# Altium PCB STM32L431RCT6-Study-Board01401-02-30.PcbDoc
Units mm, origin at the board's own origin, x right, y up, seen from the top; angles counter-clockwise.
Board outline 100 x 60 mm, 2 copper layers (Top Layer, Bottom Layer); 84 components, 94 nets, 407 pads, 31 vias.
Unrouted connection lines stored in the file: 79.
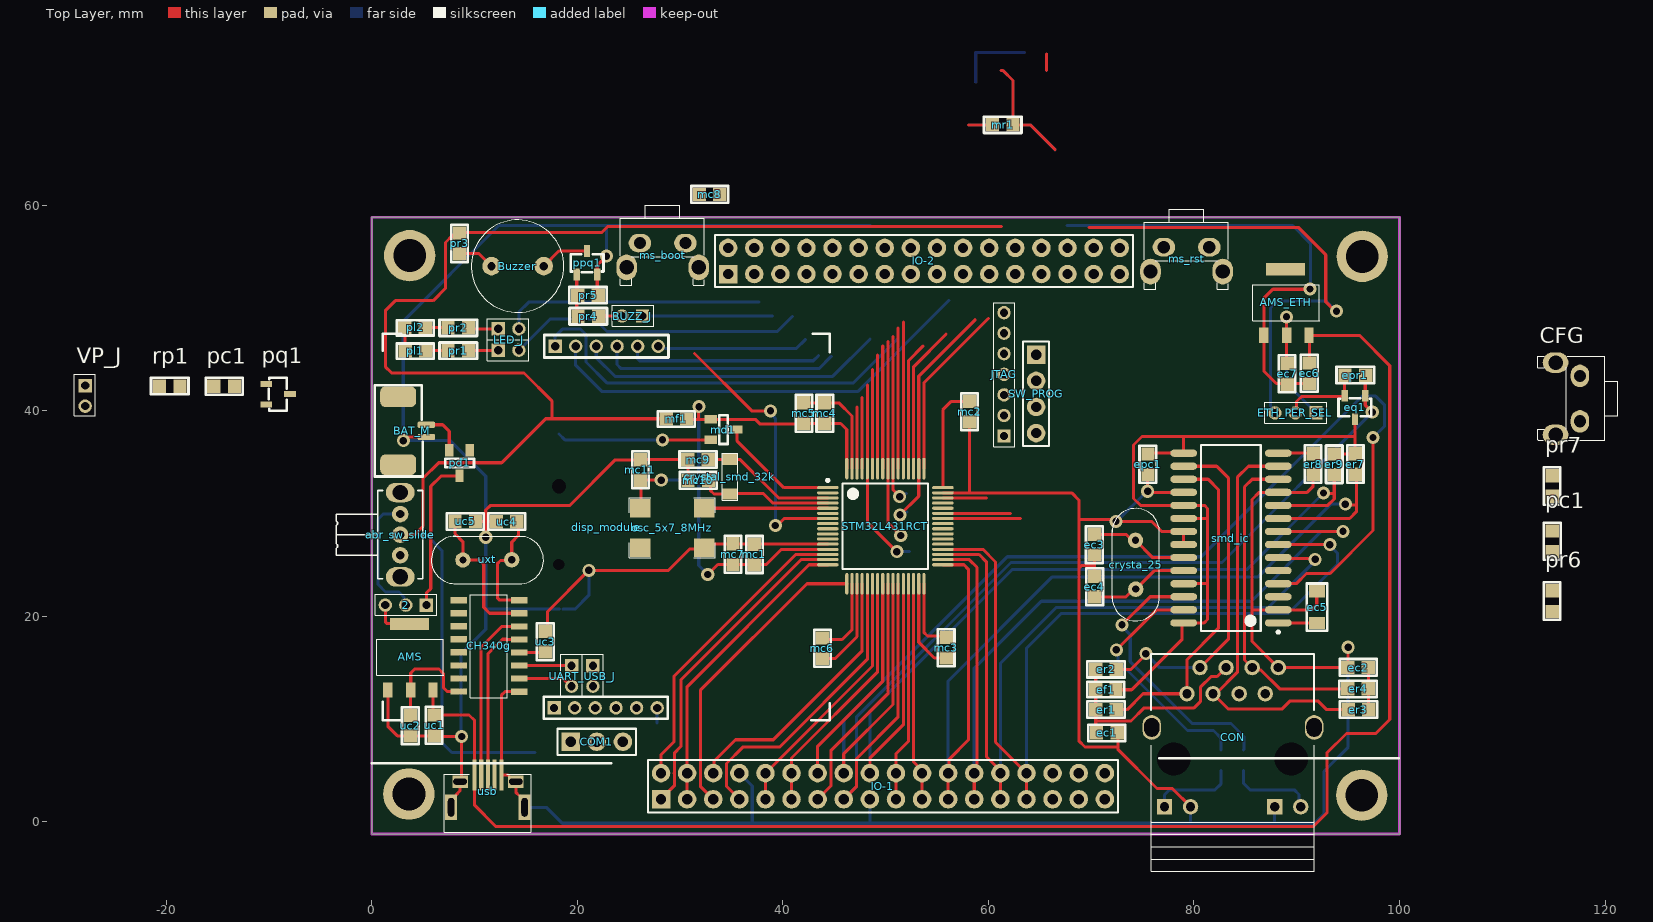
[diagram p0: Top Layer view]
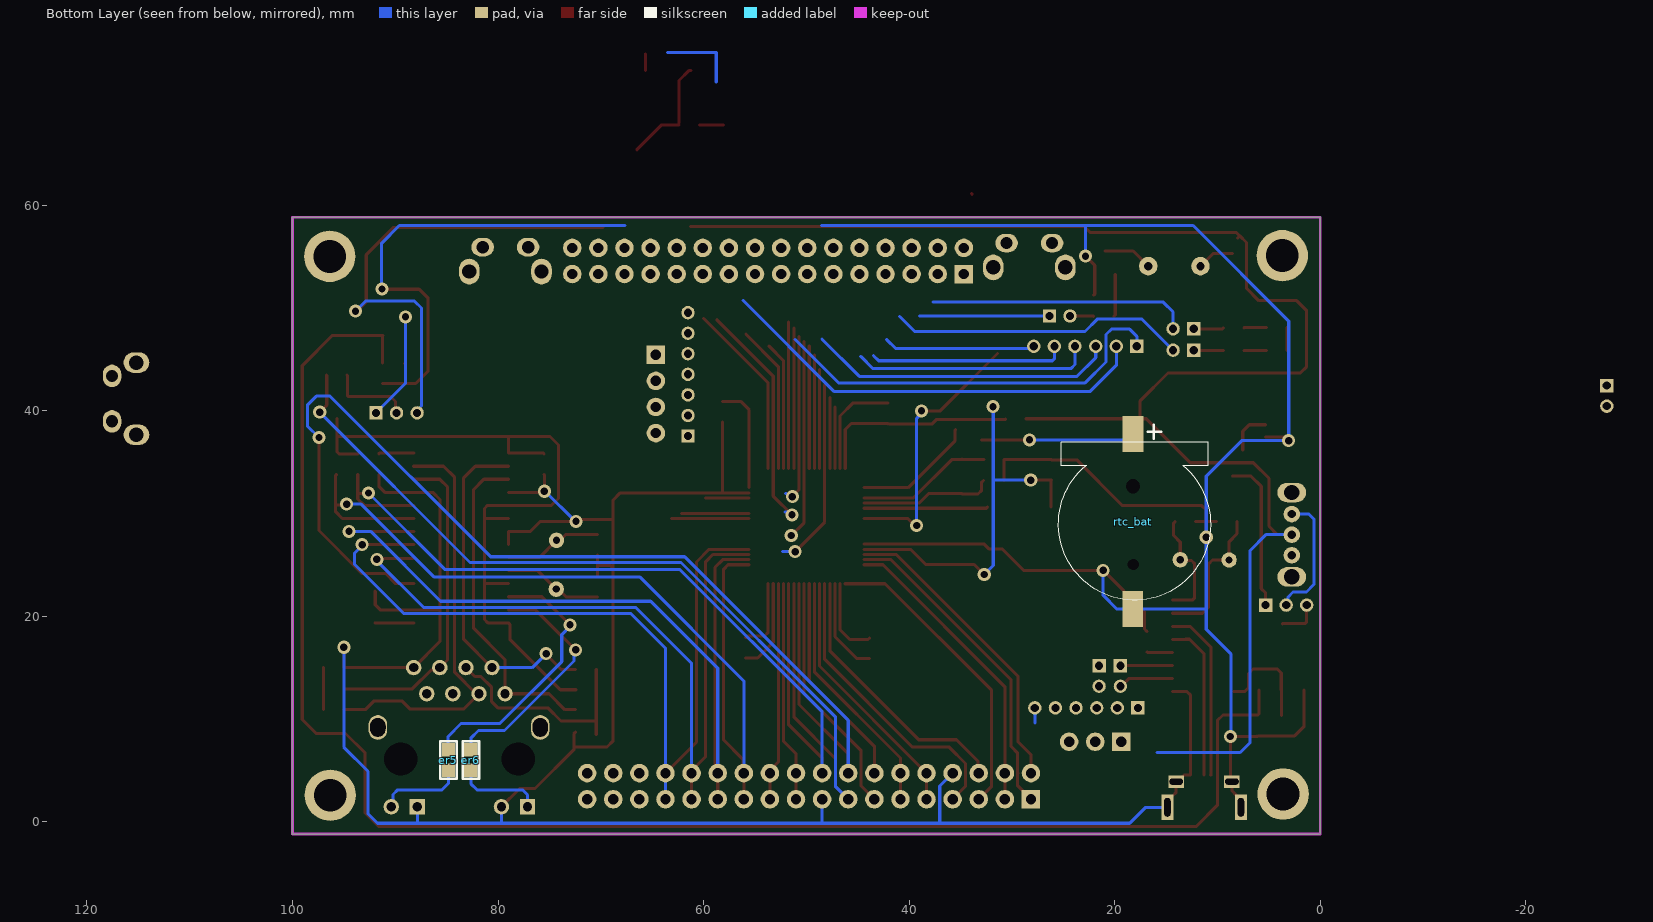
[diagram p1: Bottom Layer view, seen from below]

## Layer stack, top to bottom
Top Solder: solder mask 0.0102, Solder Resist, Dk 3.5
Top Layer: signal copper 0.0356
Dielectric 1: dielectric 0.32, FR-4, Dk 4.8
Bottom Layer: signal copper 0.0356
Bottom Solder: solder mask 0.0102, Solder Resist, Dk 3.5

## Board outline
0,-1.175 100,-1.175 100,58.825 0,58.825

## Design rules (kind name [scope] priority, off if disabled: settings)
Clearance [All] p1: gap=0.2 ignorepadtopadclearanceinfootprint=FALSE
ComponentClearance [All] p1: gap=0 collisioncheckmode=3 verticalgap=0 showdistances=FALSE
PolygonConnect [All] p1: connectstyle=Relief reliefconductorwidth=0.254 reliefentries=4 polygonreliefangle="90 Angle" airgapwidth=0.254
RoutingVias [All] p1: holewidth=0.711 width=1.27 viastyle="Through Hole" minholewidth=0.711 minwidth=1.27 maxholewidth=0.711 maxwidth=1.27
SolderMaskExpansion [All] p1: expansion=0.102 istentingtop=FALSE
Width [All] p1: maxlimit=0.5 minlimit=0.3 preferedwidth=0.3
29 further rules are at their usual default settings.

## Classes and differential pairs
component class Eth: AMS_ETH CON crysta_25 ec1 ec2 ec3 ec4 ec5 ec6 ec7 ef1 epc1 epr1 eq1 er1 er2 er3 er4 er5 er6 er7 er8 er9 ETH_PER_SEL smd_ic
component class Periph: BUZZ_J Buzzer CFG IO-1 IO-2 LED_J pc1 pl1 pl2 ppq1 pr1 pr2 pr3 pr4 pr5 pr6 pr7
component class DISPLAY: disp_module
component class USB: AMS CH340g COM1 UART_USB_J uc1 uc2 uc3 uc4 uc5 usb uxt
component class PWR: 2 abr_sw_slide BAT_M pc1 pd1 pq1 rp1 VP_J
component class STM32L431RCT6-BASIC: crystal_smd_32k JTAG mc1 mc2 mc3 mc4 mc5 mc6 mc7 mc8 mc9 mc10 mc11 md1 mf1 mr1 ms_boot ms_rst osc_5x7_8MHz rtc_bat SW_PROG
component class STM32L431RCT6: STM32L431RCT

## Components (designator, comment, footprint, x,y, rotation, side; value= is the part's Value field where it differs from the comment)
2 "pin header 2mm" abr_ph_3x1_2mm_2d_male 3.325,21.1 r0 top
abr_sw_slide "Slide switch" abr_sw_slide__r_3d 2.775,27.95 r90 top locked
AMS "Regulator" abr_fp_SOT-223_3d 3.775,16.05 r0 top
AMS_ETH "Regulator" abr_fp_SOT-223_3d 89,50.55 r0 top
BAT_M "YB2 SMD" abr_sw_yb_2p_3d 4.893,38.593 r0 top locked
BUZZ_J "pin header 2mm" abr_ph_2x1_2mm_3d_male 25.35,49.225 r0 top
Buzzer "LED" ABR_BUZZER_9MM_3D 14.2,54.075 r0 top
CFG "switch" abr_sw_tact_3d 116.372,41.183 r90 top
CH340g "Radio" abr_usb_ch344g_3d 11.3,16.925 r180 top
COM1 "Header 3" HDR1X3 19.36,7.8 r0 top
CON "RJ45_8pin_LED" abr_eth_RJ45_8pin_LED_3d 83.795,8.246 r180 top locked
crysta_25 "crystal" abr_crystal_dip_3d 74.325,25.025 r270 top locked
crystal_smd_32k "crystal" abr_crystal_cm405_32k_3d 34.85,33.6 r270 top
disp_module "connector" abr_oled13_3key_module_2d 22.812,28.687 r90 top locked
ec1 "100nf" abr_cap_0805_3d 71.525,8.675 r180 top
ec2 "100nf" abr_cap_0805_3d 95.975,15.025 r0 top
ec3 "100nf" abr_cap_0805_3d 70.325,26.975 r90 top
ec4 "100nf" abr_cap_0805_3d 70.325,22.9 r270 top
ec5 "10uf" abr_cap_a_3d 91.975,20.9 r90 top
ec6 "1uf" abr_cap_0805_3d 91.234,43.653 r90 top
ec7 "1uf" abr_cap_0805_3d 89.075,43.6 r90 top
ef1 "smd-0805" abr_fer_0805_3d 71.425,12.875 r180 top
epc1 "100nf" abr_cap_0805_3d 75.525,34.8 r90 top
epr1 "10k" abr_res_0805_3d 95.7,43.475 r180 top
eq1 "irlm6402" irlm6402 95.525,41.475 r270 top
er1 "49.9" abr_res_0805_3d 71.45,10.925 r0 top
er2 "49.9" abr_res_0805_3d 71.45,14.85 r0 top
er3 "49.9" abr_res_0805_3d 96,10.925 r180 top
er4 "49.9" abr_res_0805_3d 95.975,12.95 r180 top
er5 "1k" abr_res_0805_3d 84.825,6.025 r90 bottom
er6 "1k" abr_res_0805_3d 82.65,6.025 r90 bottom
er7 "10k" abr_res_0805_3d 95.7,34.825 r90 top
er8 "2.3k" abr_res_0805_3d 91.6,34.825 r90 top
er9 "10k" abr_res_0805_3d 93.65,34.8 r90 top
ETH_PER_SEL "pin header 2mm" abr_ph_3x1_2mm_2d_male 89.875,39.8 r0 top
IO-1 "Header 18X2" HDR2X18 28.15,2.21 r0 top
IO-2 "Header 16X2" HDR2X16 34.68,53.31 r0 top
JTAG "pin header 2mm" abr_ph_1x7_2mm_2d_female 61.525,43.55 r270 top
LED_J "pin header 2mm" abr_ph_2x2_2mm_3d_male 13.325,46.938 r180 top
mc1 "100nf" abr_cap_0805_3d 37.225,26.025 r270 top
mc2 "100nf" abr_cap_0805_3d 58.175,39.925 r90 top
mc3 "100nf" abr_cap_0805_3d 55.9,16.95 r90 top
mc4 "100nf" abr_cap_0805_3d 44.075,39.775 r270 top
mc5 "4.7uf" abr_cap_0805_3d 42.05,39.775 r270 top
mc6 "100nf" abr_cap_0805_3d 43.85,16.9 r270 top
mc7 "1uf" abr_cap_0805_3d 35.15,26.05 r270 top
mc8 "100nf" abr_cap_0805_3d 32.875,61.075 r180 top
mc9 "15pf" abr_cap_0805_3d 31.75,35.25 r0 top
mc10 "15pf" abr_cap_0805_3d 31.775,33.225 r0 top
mc11 "100nf" abr_cap_0805_3d 26.15,34.25 r270 top
md1 "abr_diode_shotkey" abr_diode_bat54c_3d 34.225,38.175 r0 top
mf1 "smd-0805" abr_fer_0805_3d 29.638,39.212 r0 top
mr1 "10k" abr_res_0805_3d 61.4,67.825 r0 top
ms_boot "switch" abr_sw_tact_3d 28.313,55.137 r180 top
ms_rst "switch" abr_sw_tact_3d 79.288,54.738 r180 top
osc_5x7_8MHz "osc" abr_osc_5x7_3d 29.25,28.6 r90 top
pc1 "100nf" abr_cap_0805_3d 114.872,27.308 r90 top
pc1 "100nf" abr_cap_0805_3d -14.35,42.382 r0 top
pd1 "abr_diode_shotkey" abr_diode_bat54c_3d 8.55,34.925 r270 top
pl1 "smd-0805" abr_led_g_0805_3d 4.25,45.85 r180 top
pl2 "smd-0805" abr_led_r_0805_3d 4.225,48.125 r180 top
ppq1 "transistor" abr_fp_sot-23_3d 20.95,54.4 r0 top
pq1 "irlm6402" irlm6402 -10.25,41.482 r0 top
pr1 "2.2K" abr_res_0805_3d 8.425,45.85 r180 top
pr2 "2.2K" abr_res_0805_3d 8.425,48.075 r180 top
pr3 "2.2K" abr_res_0805_3d 8.55,56.296 r270 top
pr4 "2.2K" abr_res_0805_3d 21.075,49.2 r180 top
pr5 "2.2K" abr_res_0805_3d 21.05,51.25 r0 top
pr6 "100K" abr_res_0805_3d 114.847,21.482 r90 top
pr7 "1k" abr_res_0805_3d 114.847,32.683 r90 top
rp1 "100k" abr_res_0805_3d -19.65,42.407 r0 top
rtc_bat "battery holder" abr_bh_cr1220_3d 18.125,29.35 r270 bottom
smd_ic "enc_28j60" abr_eth_enc28j60_3d 83.6,27.625 r180 top locked
STM32L431RCT "STM32L431RCT" STM32l431RCT6_3d 49.975,28.775 r0 top locked
SW_PROG "Header 4" HDR1X4 64.65,45.455 r270 top
UART_USB_J "pin header 2mm" abr_ph_2x2_2mm_3d_male 20.488,14.2 r90 top
uc1 "1uf" abr_cap_0805_3d 6.075,9.4 r90 top
uc2 "1uf" abr_cap_0805_3d 3.775,9.375 r90 top
uc3 "100nf" abr_cap_0805_3d 16.875,17.55 r270 top
uc4 "22pf" abr_cap_0805_3d 13.125,29.225 r0 top
uc5 "22pf" abr_cap_0805_3d 9.1,29.25 r180 top
usb "usb connector" abr_usb_micro_hoawey_p6_3d 11.3,2.994 r0 top locked
uxt "crystal" abr_crystal_dip_3d 11.25,25.5 r180 top
VP_J "pin header 2mm" abr_ph_2x1_2mm_3d_male -27.876,41.457 r90 top

## Footprints (in the part's own frame and the unit in brackets; to place one, negate y for a bottom-side part, rotate by r counter-clockwise, add the part's x,y. Pads: shape width x height; smd on the part's side, far side on the other; paste and mask are expansions set on the pad)
abr_bh_cr1220_3d [mm]
  rect 3.5x2 smd: 1(-8.4,-0.1) 2(8.65,-0.125)
  round 1 hole 1.4: mh1(-3.325,-0.1)
  round 0.7 hole 1.1: mh2(4.3,-0.075)
  silkscreen extent -9.3,-7.35 7.77,7.45, body extent -9.18,-7.45 9.63,7.3, height 4.33
ABR_BUZZER_9MM_3D [mm]
  round 1.8 hole 0.8: 1(-2.54,0) 2(2.54,0)
  silkscreen extent -4.5,-4.5 4.5,4.5, body extent -4.55,-4.55 4.55,4.55, height 5.6
abr_cap_0805_3d [mm]
  rect 1.3x1.3 smd: 0(-1,0) 1(1,0)
  silkscreen extent -1.8,-0.8 1.8,0.83, body extent -1,-0.62 1,0.63, height 1
abr_cap_a_3d [mm]
  rect 1.2x1.6 smd: 0(-1.55,0) 1(1.55,0)
  silkscreen extent -2.3,-1 2.3,1, body extent -1.6,-0.8 1.6,0.8, height 1.61
abr_crystal_cm405_32k_3d [mm]
  rect 1.1x1.5 smd: 1(-1.687,0) 2(1.687,0)
  silkscreen extent -2.29,-0.75 2.29,0.75, body extent -1.61,-0.75 1.59,0.75, height 0.89
abr_crystal_dip_3d [mm]
  round 1.5 hole 0.7: 1(-2.375,-0.012) 2(2.375,0.013)
  silkscreen extent -5.47,-2.29 5.45,2.31, body extent -5.67,-2.4 5.68,2.25, height 3.6
abr_diode_bat54c_3d [mm]
  rect 1.2x0.8 smd: 1(-1.25,1) 2(-1.25,-1) 3(1.25,0)
  silkscreen extent -0.4,-1.4 0.4,1.4, body extent -1.26,-1.51 1.24,1.49, height 1.05
abr_eth_enc28j60_3d [mm]
  oval 2.6x0.7 smd: 1(-4.6,8.255) 2(-4.6,6.985) 3(-4.6,5.715) 4(-4.6,4.445) 5(-4.6,3.175) 6(-4.6,1.905) 7(-4.6,0.635) 8(-4.6,-0.635) 9(-4.6,-1.905) 10(-4.6,-3.175) 11(-4.6,-4.445) 12(-4.6,-5.715) 13(-4.6,-6.985) 14(-4.6,-8.255) 15(4.6,-8.255) 16(4.6,-6.985) 17(4.6,-5.715) 18(4.6,-4.445) 19(4.6,-3.175) 20(4.6,-1.905) 21(4.6,-0.635) 22(4.6,0.635) 23(4.6,1.905) 24(4.6,3.175) 25(4.6,4.445) 26(4.6,5.715) 27(4.6,6.985) 28(4.6,8.255)
  silkscreen extent -4.72,-9.05 2.9,9.28, body extent -5.33,-9.02 5.34,9.06, height 2.64
abr_eth_RJ45_8pin_LED_3d [mm]
  round 1.5 hole 0.9: 1(4.477,-4.231) 2(3.207,-6.771) 3(1.937,-4.231) 4(0.667,-6.771) 5(-0.603,-4.231) 6(-1.873,-6.771) 7(-3.143,-4.231) 8(-4.413,-6.771) 9(-6.596,6.771) 11(4.12,6.771)
  rect 1.5x1.5 hole 0.9: 10(-4.056,6.771) 12(6.66,6.771)
  oval 1.8x2.4 hole 1.5 slot 1.8 at 90 deg: 13(7.9,-0.948) 14(-7.9,-0.948)
  round 2.95 hole 3.25 unplated: MH1(5.747,2.119) MH2(-5.683,2.119)
  silkscreen extent -7.9,-8.09 7.96,13.05, body extent -7.9,-8.35 7.98,13.05, height 13.5
abr_fer_0805_3d [mm]
  rect 1.3x1.3 smd: 0(-0.987,0.013) 1(0.988,-0.012)
  silkscreen extent -1.79,-0.76 1.81,0.74, body extent -0.97,-0.65 1.03,0.6, height 0.78
abr_fp_sot-23_3d [mm]
  rect 0.6x1.15 smd: 1(-1,-1.15) 2(1,-1.15) 3(0,1.15)
  silkscreen extent -1.6,-0.9 1.6,0.85, body extent -1.5,-1.25 1.5,1.25, height 1.05
abr_fp_SOT-223_3d [mm]
  rect 0.9x1.5 smd: 1(-2.2,-3.212) 2(0.025,-3.212) 3(2.2,-3.212)
  rect 3.8x1.2 smd: 4(-0.075,3.213)
  silkscreen extent -3.3,-1.76 3.22,1.71, body extent -3.33,-3.71 3.37,3.59, height 1.8
abr_led_g_0805_3d [mm]
  rect 1.3x1.3 smd: 0(-1,0) 1(1,0)
  silkscreen extent -1.8,-0.7 1.8,0.8, body extent -1.01,-0.58 1.01,0.67, height 1.1
abr_led_r_0805_3d [mm]
  rect 1.3x1.3 smd: 0(-1,0) 1(1,0)
  silkscreen extent -1.8,-0.7 1.8,0.8, body extent -1.05,-0.67 1.05,0.68, height 0.9
abr_oled13_3key_module_2d [mm]
  rect 1.3x1.3 hole 0.8: 1(17.588,4.963) 12(-17.587,5.062)
  round 1.3 hole 0.8: 2(17.588,2.963) 3(17.588,0.963) 4(17.588,-1.062) 5(17.588,-3.062) 6(17.588,-5.062) 7(-17.587,-4.963) 8(-17.587,-2.963) 9(-17.587,-0.962) 10(-17.587,1.062) 11(-17.587,3.062)
  Bottom Layer lines w0.3: -17.537,-2.937 -17.498,-2.977
  silkscreen extent -18.78,-21.76 18.81,21.73
abr_osc_5x7_3d [mm]
  rect 1.8x2 smd: 1(-1.925,3.1) 2(-1.925,-3.1) 3(1.925,-3.1) 4(1.925,3.1)
  silkscreen extent -2.9,-4.17 2.93,4.18, body extent -2.48,-3.47 2.54,3.53, height 1.52
abr_ph_1x7_2mm_2d_female [mm]
  rect 1.3x1.3 hole 0.8: 1(6,0)
  round 1.3 hole 0.8: 2(4,0) 3(2,0) 4(0,0) 5(-2,0) 6(-4,0) 7(-6,0)
  silkscreen extent -6.99,-1 7.02,1.05
abr_ph_2x1_2mm_3d_male [mm]
  rect 1.3x1.3 hole 0.8: 1(1,0)
  round 1.3 hole 0.8: 2(-1,0)
  silkscreen extent -1.95,-1 2.1,1.05, body extent -1.95,-0.98 2.05,1.02, height 4.4
abr_ph_2x2_2mm_3d_male [mm]
  rect 1.3x1.3 hole 0.8: 1(1,-1.037) 3(1,1.038)
  round 1.3 hole 0.8: 2(-1,-1.037) 4(-1,1.038)
  silkscreen extent -1.95,-2.04 2.1,2.09, body extent -1.95,-2.01 2.05,2.06, height 4.4
abr_ph_3x1_2mm_2d_male [mm]
  rect 1.3x1.3 hole 0.8: 1(2,0)
  round 1.3 hole 0.8: 2(0,0) 3(-2,0)
  silkscreen extent -3,-1 3.03,1.05
abr_res_0805_3d [mm]
  rect 1.3x1.3 smd: 0(-1,0) 1(1,0)
  silkscreen extent -1.83,-0.8 1.82,0.8, body extent -1.07,-0.7 1.03,0.65, height 0.6
abr_sw_slide__r_3d [mm]
  round 1.6 hole 0.8: 1(2,0) 2(0,0) 3(-2,0)
  oval 1.9x2.8 hole 1.5: M2(-4.1,0) M2(4.1,0)
  silkscreen extent -4.3,-2.2 4.3,6.2, body extent -4.31,-2.28 4.3,6.09, height 4.7
abr_sw_tact_3d [mm]
  oval 2.2x1.8 hole 1.2: 1(-2.212,-1.188) 2(2.213,-1.188)
  oval 2x2.5 hole 1.4: 3(-3.512,1.188) 4(3.513,1.188)
  silkscreen extent -4.04,-4.85 4.11,2.91, body extent -4.39,-4.34 4.31,2.81, height 7.4
abr_sw_yb_2p_3d [mm]
  rrect50% 3.5x2 smd: 0(-2.311,-3.835) 0(-2.311,2.769)
  rrect50% 1.7x0.6 smd: 1(0.432,0.051) 2(0.432,-1.143)
  silkscreen extent -4.6,-4.98 0.08,3.91, body extent -4.59,-4.21 0.82,3.04, height 3.4
abr_usb_ch344g_3d [mm]
  rect 1.6x0.6 smd: 1(-3.075,4.25) 2(-3.075,2.979) 3(-3.075,1.707) 4(-3.075,0.436) 5(-3.075,-0.836) 6(-3.075,-2.107) 7(-3.075,-3.379) 8(-3.075,-4.65) 9(2.825,-4.65) 10(2.85,-3.382) 11(2.85,-2.114) 12(2.85,-0.846) 13(2.85,0.421) 14(2.85,1.689) 15(2.85,2.957) 16(2.85,4.225)
  silkscreen extent -1.9,-5.18 1.73,4.82, body extent -3.19,-5.19 2.95,4.78, height 1.88
abr_usb_micro_hoawey_p6_3d [mm]
  rect 0.4x3 smd: 1(-1.288,1.569) 2(-0.637,1.569) 3(0.012,1.569) 4(0.663,1.569) 5(1.312,1.569)
  rect 1.5x1.2 hole 0.6 slot 1.3 at 0 deg: 6(2.725,0.931) 9(-2.7,0.931)
  rect 1.2x2.5 hole 0.6 slot 1.8 at 90 deg: 7(3.575,-1.569) 8(-3.575,-1.569)
  silkscreen extent -4.23,-3.99 4.23,1.66, body extent -4.1,-4.43 4.1,1, height 2.58
HDR1X3 [mm] "Connector; Header; 3 Position"
  rect 1.8x1.8 hole 1: 1(0,0)
  round 1.8 hole 1: 2(2.54,0) 3(5.08,0)
  silkscreen extent -1.27,-1.27 6.35,1.27
HDR1X4 [mm] "Connector; Header; 4 Position"
  rect 1.8x1.8 hole 1: 1(0,0)
  round 1.8 hole 1: 2(2.54,0) 3(5.08,0) 4(7.62,0)
  silkscreen extent -1.27,-1.27 8.89,1.27
HDR2X16 [mm] "Connector; Header; 16x2 Position"
  rect 1.8x1.8 hole 1: 1(0,0)
  round 1.8 hole 1: 2(0,2.54) 3(2.54,0) 4(2.54,2.54) 5(5.08,0) 6(5.08,2.54) 7(7.62,0) 8(7.62,2.54) 9(10.16,0) 10(10.16,2.54) 11(12.7,0) 12(12.7,2.54) 13(15.24,0) 14(15.24,2.54) 15(17.78,0) 16(17.78,2.54) 17(20.32,0) 18(20.32,2.54) 19(22.86,0) 20(22.86,2.54) 21(25.4,0) 22(25.4,2.54) 23(27.94,0) 24(27.94,2.54) 25(30.48,0) 26(30.48,2.54) 27(33.02,0) 28(33.02,2.54) 29(35.56,0) 30(35.56,2.54) 31(38.1,0) 32(38.1,2.54)
  silkscreen extent -1.27,-1.27 39.37,3.81
HDR2X18 [mm] "Connector; Header; 18x2 Position"
  rect 1.8x1.8 hole 1: 1(0,0)
  round 1.8 hole 1: 2(0,2.54) 3(2.54,0) 4(2.54,2.54) 5(5.08,0) 6(5.08,2.54) 7(7.62,0) 8(7.62,2.54) 9(10.16,0) 10(10.16,2.54) 11(12.7,0) 12(12.7,2.54) 13(15.24,0) 14(15.24,2.54) 15(17.78,0) 16(17.78,2.54) 17(20.32,0) 18(20.32,2.54) 19(22.86,0) 20(22.86,2.54) 21(25.4,0) 22(25.4,2.54) 23(27.94,0) 24(27.94,2.54) 25(30.48,0) 26(30.48,2.54) 27(33.02,0) 28(33.02,2.54) 29(35.56,0) 30(35.56,2.54) 31(38.1,0) 32(38.1,2.54) 33(40.64,0) 34(40.64,2.54) 35(43.18,0) 36(43.18,2.54)
  silkscreen extent -1.27,-1.27 44.45,3.81
irlm6402 [mm]
  rect 1.15x0.6 smd: 1(0,1.143) 2(0,-0.857) 3(2.3,0.143)
  silkscreen extent 0.25,-1.46 2,1.74, body extent -0.1,-1.36 2.4,1.64, height 1.05
STM32l431RCT6_3d [mm]
  oval 2.1x0.3 smd: 1(-5.6,3.75) 2(-5.6,3.25) 3(-5.6,2.75) 4(-5.6,2.25) 5(-5.6,1.75) 6(-5.6,1.25) 7(-5.6,0.75) 8(-5.6,0.25) 9(-5.6,-0.25) 10(-5.6,-0.75) 11(-5.6,-1.25) 12(-5.6,-1.75) 13(-5.6,-2.25) 14(-5.6,-2.75) 15(-5.6,-3.25) 16(-5.6,-3.75) 33(5.6,-3.75) 34(5.6,-3.25) 35(5.6,-2.75) 36(5.6,-2.25) 37(5.6,-1.75) 38(5.6,-1.25) 39(5.6,-0.75) 40(5.6,-0.25) 41(5.6,0.25) 42(5.6,0.75) 43(5.6,1.25) 44(5.6,1.75) 45(5.6,2.25) 46(5.6,2.75) 47(5.6,3.25) 48(5.6,3.75)
  oval 0.3x2.1 smd: 17(-3.75,-5.6) 18(-3.25,-5.6) 19(-2.75,-5.6) 20(-2.25,-5.6) 21(-1.75,-5.6) 22(-1.25,-5.6) 23(-0.75,-5.6) 24(-0.25,-5.6) 25(0.25,-5.6) 26(0.75,-5.6) 27(1.25,-5.6) 28(1.75,-5.6) 29(2.25,-5.6) 30(2.75,-5.6) 31(3.25,-5.6) 32(3.75,-5.6) 49(3.75,5.6) 50(3.25,5.6) 51(2.75,5.6) 52(2.25,5.6) 53(1.75,5.6) 54(1.25,5.6) 55(0.75,5.6) 56(0.25,5.6) 57(-0.25,5.6) 58(-0.75,5.6) 59(-1.25,5.6) 60(-1.75,5.6) 61(-2.25,5.6) 62(-2.75,5.6) 63(-3.25,5.6) 64(-3.75,5.6)
  silkscreen extent -5.72,-4.15 4.15,4.57, body extent -6.03,-6.03 5.97,5.97, height 1.6

## Part data
2 ETH_PER_SEL: library part abr_ph_3x1_2mm
AMS AMS_ETH: library part abr_reg_AMS1117
BUZZ_J VP_J: library part abr_2x1_2mm
Buzzer: library part abr_buzzer
CFG ms_boot ms_rst: library part abr_switch_tact
CH340g: library part abr_usb_ch340g
COM1: "Header, 3-Pin", LatestRevisionDate=17-Jul-2002, LatestRevisionNote="Re-released for DXP Platform.", Publisher="Altium Limited"
crysta_25 uxt: library part abr_crystal
crystal_smd_32k: library part abr_crystal_smd_32K
disp_module: library part abr_tft13_3key_disp
ec1 ec2 ec3 ec4 ec6 ec7 epc1 mc1 mc2 mc3 mc4 mc5 mc6 mc7 mc8 mc9 mc10 mc11 pc1 pc1 uc1 uc2 uc3 uc4 uc5: library part abr_cap_0805
ec5: library part abr_cap
ef1 mf1: library part abr_fer_0805
epr1 er1 er2 er3 er4 er5 er6 er7 er8 er9 mr1 pr1 pr2 pr3 pr4 pr5 pr6 pr7 rp1: library part abr_res_0805
IO-1: "Header, 18-Pin, Dual row", LatestRevisionDate=17-Jul-2002, LatestRevisionNote="Re-released for DXP Platform.", Publisher="Altium Limited"
IO-2: "Header, 16-Pin, Dual row", LatestRevisionDate=17-Jul-2002, LatestRevisionNote="Re-released for DXP Platform.", Publisher="Altium Limited"
JTAG: library part abr_1x7_2mm
LED_J UART_USB_J: library part abr_2x2_2mm
md1 pd1: library part abr_diode_shatkey_bat54c
osc_5x7_8MHz: library part abr_osc_5x7
pl1 pl2: library part abr_led_0805
ppq1: library part abr_bc847
rtc_bat: library part abr_bh_rtc
SW_PROG: "Header, 4-Pin", LatestRevisionDate=17-Jul-2002, LatestRevisionNote="Re-released for DXP Platform.", Publisher="Altium Limited"
usb: library part abr_usb_micro_female

## Free pads (board coordinates)
  round 5 hole 3.2: 0(3.617,2.72) 0(3.7,55.1) 0(96.325,2.6) 0(96.375,55.025)

## Via types
v1: diameter 1.27, hole 0.711, Top Layer to Bottom Layer, 31 vias

## Nets (pads, with @x,y where several pads share a name; then routed paths per layer and width w, separated by ;. In a path a pad name is that pad's centre, name@x,y a point inside that pad or via, vN(x,y) a via of type N, cw(c..) or ccw(c..) an arc to the next point about the centre after c; other vN are vias at no path point)
B10: IO-1.19 IO-1.20 STM32L431RCT.29 | length 21.5
  Top Layer w0.3: IO-1.19 IO-1.20 51.01,6.635 52.225,7.85 52.225,22.275 STM32L431RCT.29
BM: BAT_M.1 pd1.2 | length 4.3
  Top Layer w0.3: BAT_M.1 6.906,38.644 7.55,38 pd1.2
BOOT: IO-2.3 LED_J.4 mr1.1 ms_boot.2 STM32L431RCT.60 | length 58.4
  Top Layer w0.3: 48.225,42.525 STM32L431RCT.60 48.225,29.175 v1(51.1,26.3) ; 61.25,73.1 61.441,73.1 62.4,72.141 mr1.1@62.4,68.025 ; mr1.1 64.075,67.825 66.5,65.4
  Bottom Layer w0.3: LED_J.4 17.35,48.925 21.7,48.925 22.9,47.725 39.475,47.725 40.93,49.18 ; v1(51.1,26.3) 52.325,26.3
BUZZ: BUZZ_J.2 pr4.0 | length 2.3
  Top Layer w0.3: pr4.0 22.1,49.225 BUZZ_J.2
CH_V3: CH340g.4 uc3.1 | length 2.5
  Top Layer w0.3: CH340g.4 16.814,16.489 uc3.1
CT: CON.4 ec1.1 ef1.1 er1.0 er2.0 | length 22
  Top Layer w0.3: ec1.1@70.45,8.5 70.45,9.825 ; er2.0 70.45,9.825 ; CON.4 82.261,14.15 81.675,14.15 80.625,13.1 80.625,11.7 80.025,11.1 75.15,11.1 73.875,9.825 70.45,9.825
DISP_BL: disp_module.11
DISP_K1: disp_module.8
DISP_K2: disp_module.9
DISP_K3: disp_module.10
ENC_CS: er7.0 IO-1.23 IO-1.24 smd_ic.9 STM32L431RCT.33 | length 93
  Top Layer w0.3: STM32L431RCT.33 57.625,25.025 58.05,24.6 58.05,7.967 56.183,6.1 56.183,4.843 IO-1.24 IO-1.23 ; smd_ic.9 95.155,29.53 95.8,30.175 95.8,30.85 ; v1@94.975,30.825 95,30.85 95.8,30.85 ; er7.0 95.8,33.725 95.8,30.85
  Bottom Layer w0.3: IO-1.24 56.09,13.715 66.225,23.85 86.25,23.85 93.325,30.925 v1(94.725,30.925)
ENC_INT: IO-1.16 smd_ic.4 STM32L431RCT.26 | length 115.6
  Top Layer w0.3: IO-1.16 45.93,6.63 50.725,11.425 STM32L431RCT.26 ; smd_ic.4 89.955,23.18 90.95,24.175 93.25,24.175 97.425,28.35 v1(97.425,37.4)
  Bottom Layer w0.3: IO-1.16 45.93,9.88 61.85,25.8 80.725,25.8 96.35,41.425 97.675,41.425 98.55,40.55 98.55,38.525 v1(97.425,37.4)
ENC_RST: er9.0 IO-1.18 smd_ic.10 STM32L431RCT.28 | length 87.6
  Top Layer w0.3: IO-1.18 48.47,6.195 51.725,9.45 STM32L431RCT.28 ; smd_ic.10 93.025,30.8 93.65,31.425 93.65,31.95 ; v1@92.85,31.925 92.875,31.95 93.65,31.95 ; er9.0 93.65,31.95
  Bottom Layer w0.3: IO-1.18 48.47,10.72 62.3,24.55 85.15,24.55 v1(92.6,32)
GND: AMS.1 AMS_ETH.1 BAT_M.2 CH340g.1 COM1.1 CON.8 CON.10 CON.11 disp_module.7 ec1.0 ec2.0 ec3.0 ec4.0 ec5.1 ec6.0 ec7.0 epc1.0 er8.0 IO-1.8 IO-1.17 IO-2.10 IO-2.19 JTAG.1 mc1.0 mc2.0 mc3.0 mc4.0 mc5.0 mc6.0 mc7.0 mc8.0 mc9.0 mc10.0 mc11.0 mr1.0 ms_rst.1 osc_5x7_8MHz.2 pc1.0@114.872,26.308 pc1.1@-13.35,42.382 pl1.1 pl2.1 ppq1.2 pr5.1 pr6.0 rtc_bat.2 smd_ic.2 smd_ic.11 smd_ic.18 smd_ic.21 smd_ic.22 STM32L431RCT.12 STM32L431RCT.18 STM32L431RCT.31 STM32L431RCT.47 STM32L431RCT.63 SW_PROG.4 uc1.0 uc2.0 uc3.0 uc4.0 uc5.0 usb.5 usb.6 usb.7 usb.8 usb.9 | length 531.5
  Top Layer w0.3: AMS.1 1.575,9.3 2.5,8.375 uc2.0 6.075,8.375 6.14,8.31 v1(8.75,8.31) ; v1(3.075,37.1) 3.425,37.45 BAT_M.2 ; pl2.1 3.25,48.1 pl1.1 ; usb.8 8.175,1.875 8.175,2.6 8.6,3.025 usb.9 8.75,4.075 v1@8.75,8.3 ; uc5.0 11.1,29.25 ; v1(11.1,27.7) 11.1,29.25 ; uc4.0 12.1,29.25 11.1,29.25 ; CH340g.1 12.975,12.675 12.613,12.313 usb.5 13.249,4.562 13.425,4.387 13.425,4.375 13.875,3.925 usb.6 14.025,2.875 14.375,2.525 14.425,2.525 14.875,2.075 usb.7 ; uc3.0 17.099,18.774 17.099,20.449 v1(21.125,24.475) 28.875,24.475 30.975,26.575 32.25,26.575 osc_5x7_8MHz.2 32.7,27.025 STM32L431RCT.12 ; pr5.1 21.95,51.35 ppq1.2 21.95,54.15 v1(22.85,55.05) ; mc11.0@26.15,35.225 23.7,35.225 19.25,30.775 11.525,30.775 11.1,30.35 11.1,29.25 ; mc11.0 mc9.0 30.775,35.225 mc10.0 ; mc8.0 mc8.0@33.925,61.125 ; mc5.0 mc4.0 45.45,40.775 46.725,39.5 46.725,35.275 STM32L431RCT.63 ; mc6.0 44,17.75 45.775,17.75 46.725,18.7 STM32L431RCT.18 ; STM32L431RCT.31 53.225,17.475 54.75,15.95 mc3.0 ; STM32L431RCT.47 58.225,32.025 ; 58.075,67.825 mr1.0 ; mc2.0 58.175,32.075 58.225,32.025 ; ec4.0 70.325,24.938 ; ec3.0 70.325,24.938 ; ec1.0@72.451,8.749 ec1.0 72.625,8.575 72.625,7.3 ; v1@75.3,32.07 smd_ic.18 ; v1(75.5,32.175) 75.5,33.775 epc1.0 ; smd_ic.22 smd_ic.21 76.865,28.26 75.875,29.25 v1(72.425,29.25) 72.25,29.425 68.8,29.425 ; CON.11 77.9,3.25 76.4,3.25 72.625,7.025 72.625,7.3 ; v1@91.1,51.825 87.675,51.825 86.8,50.95 AMS_ETH.1 86.8,43.875 88.022,42.653 ec6.0 ; er8.0 91.6,32.65 91.02,32.07 smd_ic.11 86.345,32.07 85.65,31.375 85.65,20.64 ; ec5.1 91.95,22.425 91.95,21.125 91.465,20.64 smd_ic.2 85.65,20.64 ; v1(95,17) 94.975,16.975 ec2.0 94.967,15.017 CON.8 85.65,17.576 85.65,20.64 ; 58.225,32.025 68.1,32.025 68.8,31.325 68.8,29.425 ; 68.8,24.675 68.8,29.425 ; 68.8,24.675 68.8,7.9 69.4,7.3 72.625,7.3 ; 68.8,24.675 69.063,24.938 70.325,24.938
  Bottom Layer w0.3: v1(8.75,8.31) 8.7,8.36 8.7,16.35 11.1,18.75 11.1,20.65 ; usb.7 17,1.425 18.55,-0.125 37.025,-0.125 ; rtc_bat.2 11.15,20.7 11.1,20.65 ; rtc_bat.2@18.625,20.725 18.65,20.7 19.775,20.7 21.125,22.05 v1(21.125,24.475) ; v1(22.85,55.05) 22.85,57.975 22.8,58.025 ; 27.775,9.65 disp_module.7 ; IO-1.8 37.025,3.495 37.025,-0.125 ; IO-1.17 48.47,-0.095 48.5,-0.125 ; 48.55,58.025 32.781,58.025 22.8,58.025 ; 58.775,71.975 58.775,74.875 63.525,74.875 ; 67.65,58.025 89.6,58.025 91.325,56.3 91.325,51.875 v1(91.3,51.85) ; v1(72.425,29.25) 72.5,29.25 75.425,32.175 v1(75.5,32.175) ; CON.11 79.675,-0.125 ; CON.10 87.852,-0.125 ; v1(95,17) 95,7.275 92.65,4.925 92.65,0.8 91.725,-0.125 87.852,-0.125 ; 11.1,20.65 v1(11.1,27.7) 11.1,33.65 7.65,37.1 v1(3.075,37.1) 3.075,48.725 12.375,58.025 22.8,58.025 ; 37.025,-0.125 48.5,-0.125 ; 48.5,-0.125 79.675,-0.125 ; 79.675,-0.125 87.852,-0.125
HSE_IN: osc_5x7_8MHz.3 STM32L431RCT.5 | length 12
  Top Layer w0.3: osc_5x7_8MHz.3@32.4,30.625 32.5,30.525 STM32L431RCT.5
LED_G: LED_J.3 pr1.0 | length 2.9
  Top Layer w0.3: pr1.0 12.275,45.85 LED_J.3
LED_R: LED_J.1 pr2.0 | length 2.9
  Top Layer w0.3: pr2.0 9.525,47.975 LED_J.1
LEDA: er6.1 smd_ic.27 | length 23.6
  Top Layer w0.3: v1(72.45,16.75) 72.468,16.75 73.883,18.165 73.908,18.165 76.383,20.64 smd_ic.27
  Bottom Layer w0.3: v1(72.45,16.75) 72.61,16.59 72.61,15.665 79.375,8.9 81.9,8.9 82.65,8.15 er6.1
LEDB: er5.1 smd_ic.26 | length 26.4
  Top Layer w0.3: v1(73,19.175) 75.735,21.91 smd_ic.26
  Bottom Layer w0.3: v1(73,19.175) 73,19.028 73.8,18.228 73.8,15.6 79.825,9.575 83.6,9.575 84.875,8.3 84.875,7.075 er5.1
LG: CON.12 er6.0 | length 8.4
  Bottom Layer w0.3: CON.12 77.135,2.635 77.625,3.125 82.05,3.125 82.65,3.725 er6.0
LSE_32_IN: crystal_smd_32k.1 mc9.1 STM32L431RCT.3 | length 13.2
  Top Layer w0.3: mc9.1 34.813,35.25 crystal_smd_32k.1 34.887,35.251 35.874,35.251 39.6,31.525 STM32L431RCT.3
LSE_32_OUT: crystal_smd_32k.2 mc10.1 STM32L431RCT.4 | length 13
  Top Layer w0.3: mc10.1 32.949,33.051 32.949,32.276 33.313,31.912 crystal_smd_32k.2 ; crystal_smd_32k.2@34.85,31.976 38.074,31.976 39.025,31.025 STM32L431RCT.4
LY: CON.9 er5.0 | length 8.4
  Bottom Layer w0.3: er5.0 84.825,3.75 85.45,3.125 89.775,3.125 90.225,2.675 90.225,1.642 CON.9
MCU_EN_ETH_PWR: epr1.0 eq1.1 IO-1.15 STM32L431RCT.27 | length 98.1
  Top Layer w0.3: IO-1.15 47.18,3.46 47.18,6.18 51.225,10.225 STM32L431RCT.27 ; epr1.0 96.668,43.443 eq1.1 96.668,40.557 v1(97.35,39.875)
  Bottom Layer w0.3: IO-1.15 47.18,3.46 47.18,5.175 47.15,5.205 47.15,10.2 62.2,25.25 82.725,25.25 v1(97.35,39.875)
MCU_PERIPH_PWR_EN: pq1.1 rp1.0 VP_J.1
MCU_RX1_J: CH340g.2 UART_USB_J.4 | length 5.3
  Top Layer w0.3: CH340g.2 18.641,13.946 UART_USB_J.4@19.387,13.2
MCU_TX1_J: CH340g.3 UART_USB_J.3 | length 5.1
  Top Layer w0.3: CH340g.3 UART_USB_J.3@19.432,15.218
MCULP_RX: VP_J.2
NetBuzzer_1: Buzzer.1 pr3.1 | length 3.6
  Top Layer w0.3: pr3.1 10.439,55.296 Buzzer.1
NetBuzzer_2: Buzzer.2 ppq1.3 | length 4.8
  Top Layer w0.3: Buzzer.2 18.215,55.55 ppq1.3
NetCFG_2: CFG.2 pr6.1 pr7.1
Netec2_1: ec2.1 er3.0 er4.0 | length 4.1
  Top Layer w0.3: ec2.1 97,15 er3.0
Netpl1_0: pl1.0 pr1.1 | length 2.2
  Top Layer w0.3: pl1.0 pr1.1
Netpl2_0: pl2.0 pr2.1 | length 2.2
  Top Layer w0.3: pl2.0 7.375,48.125 pr2.1
Netppq1_1: ppq1.1 pr4.1 pr5.0 | length 4.1
  Top Layer w0.3: ppq1.1 19.95,49.325 pr4.1
NJRST: IO-2.7 JTAG.6 STM32L431RCT.56 | length 19.4
  Top Layer w0.3: 50.225,46.75 50.225,29.125 v1(51.475,27.875)
PA0: IO-1.2 STM32L431RCT.14 | length 29.8
  Top Layer w0.3: IO-1.2 28.15,6.55 29.425,7.825 29.425,14.2 36.8,21.575 41.25,26.025 STM32L431RCT.14
PA1: IO-1.1 STM32L431RCT.15 | length 31.6
  Top Layer w0.3: IO-1.1 29.45,3.51 29.45,4.592 cw(c30.69,4.75) 29.45,4.908 29.45,6.7 30.1,7.35 30.1,13.85 41.775,25.525 STM32L431RCT.15
PA2: IO-1.3 IO-1.4 STM32L431RCT.16 | length 29.6
  Top Layer w0.3: IO-1.3 IO-1.4 30.69,13.165 42.55,25.025 STM32L431RCT.16
PA3: IO-1.5 STM32L431RCT.17 | length 29.7
  Top Layer w0.3: IO-1.5 31.98,3.46 31.98,12.805 42.35,23.175 STM32L431RCT.17
PA4: IO-1.6 STM32L431RCT.20 | length 26.6
  Top Layer w0.3: IO-1.6 33.324,4.844 33.324,5.924 35.4,8 39.075,8 47.725,16.65 STM32L431RCT.20
PA5: IO-1.7 STM32L431RCT.21 | length 29.3
  Top Layer w0.3: IO-1.7 34.52,3.46 34.52,5.695 36.1,7.275 39.675,7.275 48.225,15.825 STM32L431RCT.21
PA6: IO-1.9 IO-1.10 STM32L431RCT.22 | length 25.7
  Top Layer w0.3: IO-1.9 38.225,2.125 38.125,2.125 38.31,2.31 IO-1.10 48.725,15.165 STM32L431RCT.22
PA7: IO-1.11 IO-1.12 STM32L431RCT.23 | length 24.4
  Top Layer w0.3: IO-1.11 IO-1.12 40.85,5.075 40.85,6.225 49.225,14.6 STM32L431RCT.23
PA8: STM32L431RCT.41
PA9: COM1.3 STM32L431RCT.42 UART_USB_J.1 | length 7.6
  Top Layer w0.3: STM32L431RCT.42 63.143,29.525
PA10: COM1.2 STM32L431RCT.43 UART_USB_J.2 | length 6.6
  Top Layer w0.3: STM32L431RCT.43 62.169,30.025
PA12: STM32L431RCT.45
PB5: disp_module.4 IO-2.6 STM32L431RCT.57 | length 35.2
  Top Layer w0.3: STM32L431RCT.57 49.725,46.3
  Bottom Layer w0.3: disp_module.4 23.875,44.5 24.275,44.1 43.525,44.1 44.72,45.295
PB6: disp_module.5 IO-2.5 STM32L431RCT.58 | length 30.2
  Top Layer w0.3: STM32L431RCT.58 49.225,45.432
  Bottom Layer w0.3: disp_module.5 25.875,45.051 26.051,44.875 42.975,44.875 43.47,45.37
PB7: disp_module.6 IO-2.4 STM32L431RCT.59 | length 24.4
  Top Layer w0.3: STM32L431RCT.59 48.725,44
  Bottom Layer w0.3: disp_module.6 28.066,46.084 28.542,46.084 28.551,46.075 41.325,46.075 42.18,46.93
PB8: BUZZ_J.1 IO-2.2 STM32L431RCT.61 | length 19.5
  Top Layer w0.3: STM32L431RCT.61 47.725,41.275
  Bottom Layer w0.3: BUZZ_J.1 39,49.225
PB9: IO-2.1 LED_J.2 STM32L431RCT.62 | length 31.4
  Top Layer w0.3: STM32L431RCT.62 47.225,40.35
  Bottom Layer w0.3: LED_J.2 14.325,49.625 15.275,50.575 37.675,50.575
PB11: IO-1.21 IO-1.22 STM32L431RCT.30 | length 21.3
  Top Layer w0.3: STM32L431RCT.30 52.725,5.834 53.55,5.009 IO-1.22 IO-1.21
PC4: IO-1.14 STM32L431RCT.24 | length 21
  Top Layer w0.3: IO-1.14 43.39,7.365 49.725,13.7 STM32L431RCT.24
PC5: IO-1.13 STM32L431RCT.25 | length 23.8
  Top Layer w0.3: IO-1.13 44.68,3.5 44.68,6.93 50.225,12.475 STM32L431RCT.25
PD2: disp_module.3 IO-2.9 STM32L431RCT.54 | length 43.7
  Top Layer w0.3: STM32L431RCT.54 51.225,48.075
  Bottom Layer w0.3: disp_module.3 21.85,45.175 23.675,43.35 44.85,43.35 48.475,46.975
RBIAS: er8.1 smd_ic.14 | length 3.4
  Top Layer w0.3: smd_ic.14 91.545,35.88 er8.1
RD+: CON.3 er3.1 smd_ic.13 | length 41
  Top Layer w0.3: smd_ic.13 85.31,34.61 84.225,33.525 84.225,15.476 84.228,15.473 84.228,14.562 82.144,12.477 CON.3 83.361,10.975 88.55,10.975 89.325,11.75 92.1,11.75 92.925,10.925 er3.1
RD-: CON.6 er4.1 smd_ic.12 | length 31.6
  Top Layer w0.3: smd_ic.12 85.665,33.34 84.925,32.6 84.925,15.761 85.898,14.788 86.512,14.788 88.35,12.95 er4.1
RST: mc8.1 ms_rst.2 STM32L431RCT.7 SW_PROG.3 | length 26.4
  Top Layer w0.3: 31.4,45.575 36.975,40 v1(38.8,40) ; v1(39.275,28.85) 39.459,28.85 40.134,29.525 STM32L431RCT.7
  Bottom Layer w0.3: v1(38.8,40) 38.8,39.738 39.275,39.263 v1(39.275,28.85)
SPI2_MISO: IO-1.27 IO-1.28 smd_ic.6 STM32L431RCT.35 | length 77.4
  Top Layer w0.3: STM32L431RCT.35 59.1,26.025 59.8,25.325 59.8,6.376 61.17,5.006 IO-1.28 IO-1.27 ; smd_ic.6 88.277,25.643 91.707,25.643 v1(91.8,25.55)
  Bottom Layer w0.3: IO-1.28 61.17,15.42 66.625,20.875 87.25,20.875 91.8,25.425 v1(91.8,25.55)
SPI2_MOSI: IO-1.29 IO-1.30 smd_ic.7 STM32L431RCT.36 | length 85.5
  Top Layer w0.3: STM32L431RCT.36 59.475,26.525 60.7,25.3 60.7,7.76 IO-1.30 IO-1.29 ; smd_ic.7 93.21,26.99 v1(93.225,26.975)
  Bottom Layer w0.3: IO-1.29 IO-1.30 63.71,16.91 67.075,20.275 89.175,20.275 93.95,25.05 93.95,26.166 93.225,26.891 v1(93.225,26.975)
SPI2_SCK: IO-1.25 IO-1.26 smd_ic.8 STM32L431RCT.34 | length 84.2
  Top Layer w0.3: STM32L431RCT.34 58.15,25.525 58.9,24.775 58.9,5.02 IO-1.26 IO-1.25 ; smd_ic.8 94.485,28.26 v1(94.5,28.275)
  Bottom Layer w0.3: IO-1.26 58.63,14.955 65.15,21.475 85.6,21.475 92.4,28.275 v1(94.5,28.275)
SPI3_CLK: disp_module.2 IO-2.15 IO-2.16 STM32L431RCT.51 | length 57.3
  Top Layer w0.3: STM32L431RCT.51 52.725,44.3 55.883,47.458
  Bottom Layer w0.3: disp_module.2 19.85,44.425 22.375,41.9 47.325,41.9 56.17,50.745
SPI3_MISO: IO-2.13 IO-2.14 STM32L431RCT.52 | length 12.5
  Top Layer w0.3: STM32L431RCT.52 52.225,44.875 53.63,46.28
SPI3_MOSI: disp_module.1 IO-2.11 IO-2.12 STM32L431RCT.53 | length 54.3
  Top Layer w0.3: STM32L431RCT.53 51.725,48.65
  Bottom Layer w0.3: disp_module.1 17.85,47.25 18.55,47.95 20.325,47.95 20.85,47.425 20.85,44.75 22.875,42.725 46.875,42.725 51.09,46.94
SWC: IO-2.18 JTAG.3 STM32L431RCT.49 SW_PROG.1 | length 17.2
  Top Layer w0.3: STM32L431RCT.49 53.725,42.7 60,48.975
SWD: JTAG.5 STM32L431RCT.46 SW_PROG.2 | length 4.2
  Top Layer w0.3: STM32L431RCT.46 59.791,31.525
TAMPER: pc1.1@114.872,28.308 pr7.0
TD+: CON.1 er1.1 smd_ic.17 | length 32.4
  Top Layer w0.3: er1.1 73.5,10.925 75.052,12.477 CON.1 79.318,15.793 82.375,18.85 82.375,32.35 81.385,33.34 smd_ic.17
TD-: CON.2 er2.1 smd_ic.16 | length 33.8
  Top Layer w0.3: er2.1 73.875,14.85 75.325,16.3 v1(75.325,16.375) ; smd_ic.16 82.215,34.61 83.35,33.475 83.35,17.779 CON.2
  Bottom Layer w0.3: v1(75.325,16.375) 76.683,15.017 CON.2
TDI: IO-2.17 JTAG.4 STM32L431RCT.50 | length 22.8
  Top Layer w0.3: v1(51.408,29.883) 53.225,31.7 STM32L431RCT.50 53.225,43.375 58.71,48.86
  Bottom Layer w0.3: v1(51.408,29.883) 51.67,29.883 51.95,30.163 52.063,30.163
TDO: IO-2.8 JTAG.2 STM32L431RCT.55 | length 16.8
  Top Layer w0.3: 50.725,47.25 STM32L431RCT.55 50.725,32.325 v1@51.542,31.508
  Bottom Layer w0.3: v1(51.375,31.65) 51.637,31.65 51.93,31.942 52.017,31.942
UD+: CH340g.5 usb.3 | length 15.5
  Top Layer w0.3: usb.3 11.313,16.363 12.726,17.776 13.11,17.776 13.125,17.761 CH340g.5
UD-: CH340g.6 usb.2 | length 17
  Top Layer w0.3: usb.2 10.625,4.6 10.625,16.975 12.682,19.032 CH340g.6
USB5V: AMS.3 AMS_ETH.3 ec6.1 uc1.1 usb.1 | length 158.7
  Top Layer w0.3: AMS.3 5.975,10.5 uc1.1 9.475,10.4 10.013,9.862 usb.1 10.013,1.612 12.05,-0.425 91.634,-0.425 92.936,0.877 92.936,6.711 94.838,8.613 97.688,8.613 99.05,9.975 99.05,44.4 96.112,47.338 AMS_ETH.3 91.234,47.304 ec6.1
V3.3: AMS.2 CH340g.16 uc2.1 | length 10.6
  Top Layer w0.3: uc2.1 3.775,12.812 AMS.2 3.8,14.5 4.175,14.875 6.55,14.875 6.975,14.45 6.975,13.075 7.35,12.7 CH340g.16
V3.3_2: 2.3 AMS.4 | length 4.2
  Top Layer w0.3: 2.3@1.325,21.225 1.325,19.475 1.501,19.299 3.663,19.299 AMS.4
V3.3_ETH: AMS_ETH.2 ec7.1 ETH_PER_SEL.1 | length 15.1
  Top Layer w0.3: v1(89,49.15) 89.025,49.125 AMS_ETH.2 89.025,44.65 ec7.1
  Bottom Layer w0.3: v1(89,49.15) 89,42.675 ETH_PER_SEL.1
V_EH: ef1.0 epc1.1 eq1.3 er7.1 er9.1 smd_ic.15 smd_ic.19 smd_ic.20 smd_ic.25 smd_ic.28 | length 73.2
  Top Layer w0.3: ef1.0 73.938,12.862 78.85,17.775 78.85,19.22 smd_ic.28 80.995,19.37 81.325,19.7 81.325,23.15 ; epc1.1 75.605,35.88 smd_ic.15 79,37.5 ; smd_ic.25 81.295,23.18 81.325,23.15 ; smd_ic.20 81.255,29.53 81.325,29.6 ; er9.1 95.45,35.8 95.65,36 95.65,37.5 ; eq1.3@95.65,39.268 95.65,37.5 ; 81.325,23.15 81.325,29.6 ; 81.325,29.6 81.325,30.5 81.025,30.8 smd_ic.19 74.8,30.8 74.125,31.475 74.125,36.675 74.95,37.5 95.65,37.5
V_EH_SEL: epr1.1 eq1.2 ETH_PER_SEL.2 | length 8.1
  Top Layer w0.3: ETH_PER_SEL.2 89.975,39.9 89.975,40.9 90.475,41.4 94.593,41.4 eq1.2 94.668,43.443 epr1.1
VBAT: md1.3 STM32L431RCT.1 | length 11.8
  Top Layer w0.3: md1.3 35.525,38.125 35.525,37.1 40.1,32.525 STM32L431RCT.1
VBAT_IN: 2.1 pd1.3 | length 15
  Top Layer w0.3: 2.1 5.325,22.275 5.75,22.7 5.75,32.65 6.75,33.65 8.525,33.65 pd1.3
VBB: md1.2 rtc_bat.1 | length 15
  Top Layer w0.3: v1(28.3,37.175) md1.2
  Bottom Layer w0.3: rtc_bat.1 18.8,37.175 v1(28.3,37.175)
VBoard: abr_sw_slide.2 CFG.1 disp_module.12 ETH_PER_SEL.3 IO-2.20 mf1.0 ms_boot.1 pq1.2 pr3.0 rp1.1 | length 206.3
  Top Layer w0.3: abr_sw_slide.2@2.946,28.121 abr_sw_slide.2 4.175,27.95 5,28.775 5,33.425 6.525,34.95 12.65,34.95 16.925,39.225 17.525,39.225 ; 7.835,57.01 8.175,57.35 22.4,57.35 23,57.95 61.271,57.95 ; pr3.0@8.05,56.796 7.825,57.021 7.18,56.375 7.18,51.92 5.984,50.725 2.3,50.725 1.325,49.75 1.325,44.3 1.95,43.675 14.825,43.675 17.525,40.975 17.525,39.225 ; mf1.0 17.525,39.225 ; 65.675,73.1 65.675,74.7 ; 69.8,57.85 90.15,57.85 92.825,55.175 92.825,50.6 v1@93.625,49.8
  Bottom Layer w0.3: abr_sw_slide.2 5.3,27.95 6.85,26.4 6.85,7.7 7.225,7.325 7.8,6.75 15.875,6.75 ; ETH_PER_SEL.3 87.875,40.051 87.45,40.476 87.45,50 88.125,50.675 92.9,50.675 v1(93.875,49.7)
VCAP: ec5.0 smd_ic.1 | length 3.8
  Top Layer w0.3: smd_ic.1 91.955,19.37 ec5.0
VMCU: JTAG.7 mc1.1 mc2.1 mc3.1 mc4.1 mc5.1 mc6.1 mc7.1 mc11.1 md1.1 mf1.1 osc_5x7_8MHz.4 STM32L431RCT.13 STM32L431RCT.19 STM32L431RCT.32 STM32L431RCT.48 STM32L431RCT.64 | length 85.9
  Top Layer w0.3: osc_5x7_8MHz.4@26.2,30.625 26.2,33.2 mc11.1 v1(28.175,33.25) ; mf1.1 30.65,39.175 31.813,39.175 ; v1(31.85,40.4) 31.813,40.363 31.813,39.175 ; v1(32.7,24.075) 33.675,25.05 mc7.1 38.4,25.05 39.875,26.525 STM32L431RCT.13 ; mc6.1 45.1,15.9 47.225,18.025 STM32L431RCT.19 ; STM32L431RCT.64 46.225,38.175 45.625,38.775 mc4.1 mc5.1 41.975,38.7 37.8,38.7 37.325,39.175 md1.1 31.813,39.175 ; STM32L431RCT.32 53.725,18.45 54.075,18.1 55.75,18.1 mc3.1 ; STM32L431RCT.48 55.575,40.1 56.4,40.925 mc2.1
  Bottom Layer w0.3: v1(28.175,33.25) 31.775,33.25 31.825,33.3 ; v1(31.85,40.4) 31.825,40.375 31.825,33.3 ; v1(32.7,24.075) 31.825,24.95 31.825,33.3
VPeriph: pc1.0@-15.35,42.382 pq1.3
VSel: 2.2 abr_sw_slide.1 | length 12.6
  Bottom Layer w0.3: abr_sw_slide.1 1.101,29.95 0.625,29.474 0.625,23.1 1.35,22.375 2.65,22.375 3.147,21.878 3.147,21.278 2.2
XI: CH340g.7 uc5.1 uxt.2 | length 14.2
  Top Layer w0.3: uc5.1 8.1,28.05 8.875,27.275 uxt.2 10.488,25.487 10.9,25.075 10.9,20.875 11.471,20.304 CH340g.7
XO: CH340g.8 uc4.1 uxt.1 | length 11.2
  Top Layer w0.3: uc4.1 14.275,29.075 14.275,27.875 13.625,27.225 uxt.1 13.545,25.433 12.533,25.433 12.225,25.125 12.225,21.8 12.45,21.575 CH340g.8
XT1: crysta_25.1 ec3.1 smd_ic.23 | length 9.6
  Top Layer w0.3: ec3.1 73.413,27.975 73.988,27.4 crysta_25.1 75.992,25.72 smd_ic.23
XT2: crysta_25.2 ec4.1 smd_ic.24 | length 9.7
  Top Layer w0.3: ec4.1 73.39,21.9 74.14,22.65 crysta_25.2 76.138,24.45 smd_ic.24
pads on no net: abr_sw_slide.3 abr_sw_slide.M2 AMS_ETH.4 BAT_M.0 CFG.3 CFG.4 CH340g.9 CH340g.10 CH340g.11 CH340g.12 CH340g.13 CH340g.14 CH340g.15 CON.5 CON.7 CON.13 CON.14 CON.MH1 CON.MH2 IO-1.31 IO-1.32 IO-1.33 IO-1.34 IO-1.35 IO-1.36 IO-2.21 IO-2.22 IO-2.23 IO-2.24 IO-2.25 IO-2.26 IO-2.27 IO-2.28 IO-2.29 IO-2.30 IO-2.31 IO-2.32 ms_boot.3 ms_boot.4 ms_rst.3 ms_rst.4 osc_5x7_8MHz.1 pd1.1 rtc_bat.mh1 rtc_bat.mh2 smd_ic.3 smd_ic.5 STM32L431RCT.2 STM32L431RCT.6 STM32L431RCT.8 STM32L431RCT.9 STM32L431RCT.10 STM32L431RCT.11 STM32L431RCT.37 STM32L431RCT.38 STM32L431RCT.39 STM32L431RCT.40 STM32L431RCT.44 usb.4

## Keep-outs
Keep-Out Layer:
  the board outline again, w0.254

## Other copper
Top Layer:
  text "ﯼﮊﺮﻧﺍ" at 146.475,41.425 h7
  text "ﻦﯿﻬﺑ" at 147.175,36.4 h7
  text "1401/02/29" at 142.825,32.3 h5
Bottom Layer:
  text "BEHIN ENERGY" at 160.3,57.725 h1.8 r270
  text "ab.r" at 156.375,49.05 h1.8 r270
  text "2022-19-05" at 170.7,44.5 h1.8 r90

## Silkscreen, mask and mechanical layers (free items; w line width, h text height)
Top Overlay:
  lines w0.254: 0.035,5.712 23.311,5.712 ; 76.635,6.212 99.911,6.212